# KiCad board Logic_tabor.kicad_pcb
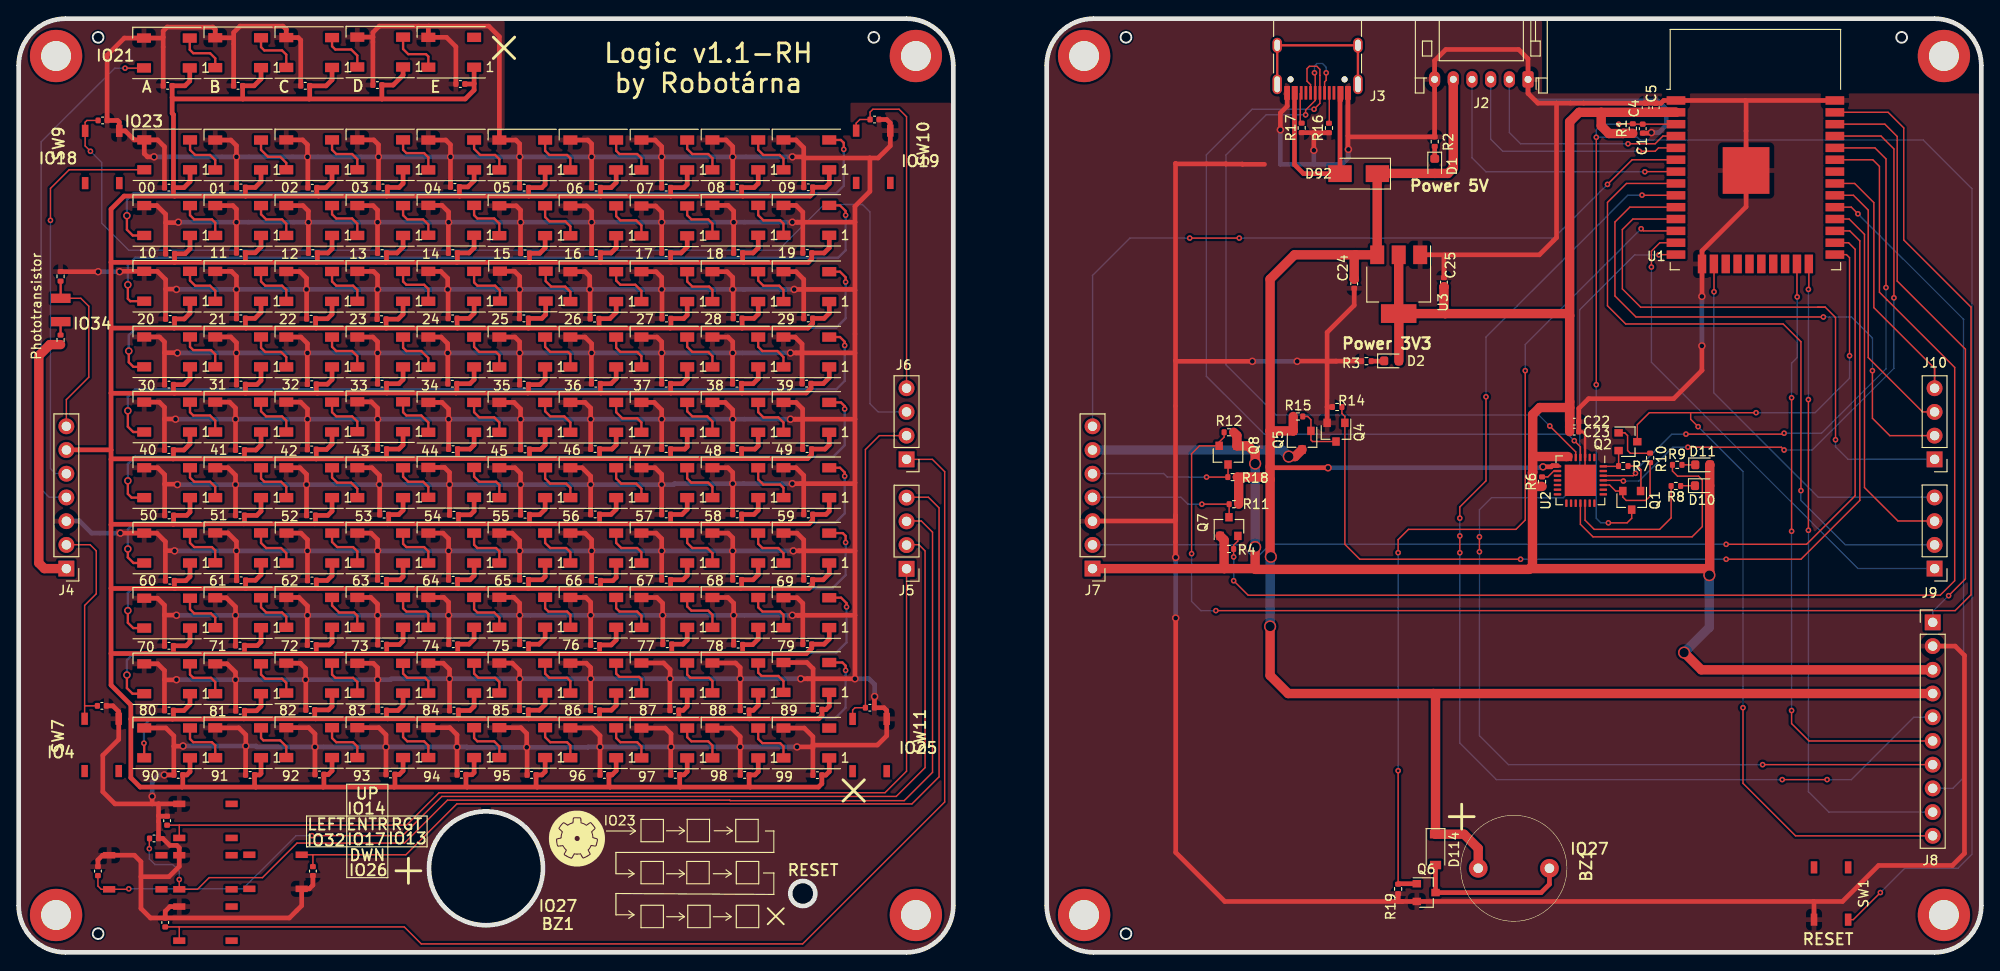
[diagram p0: board, top side]
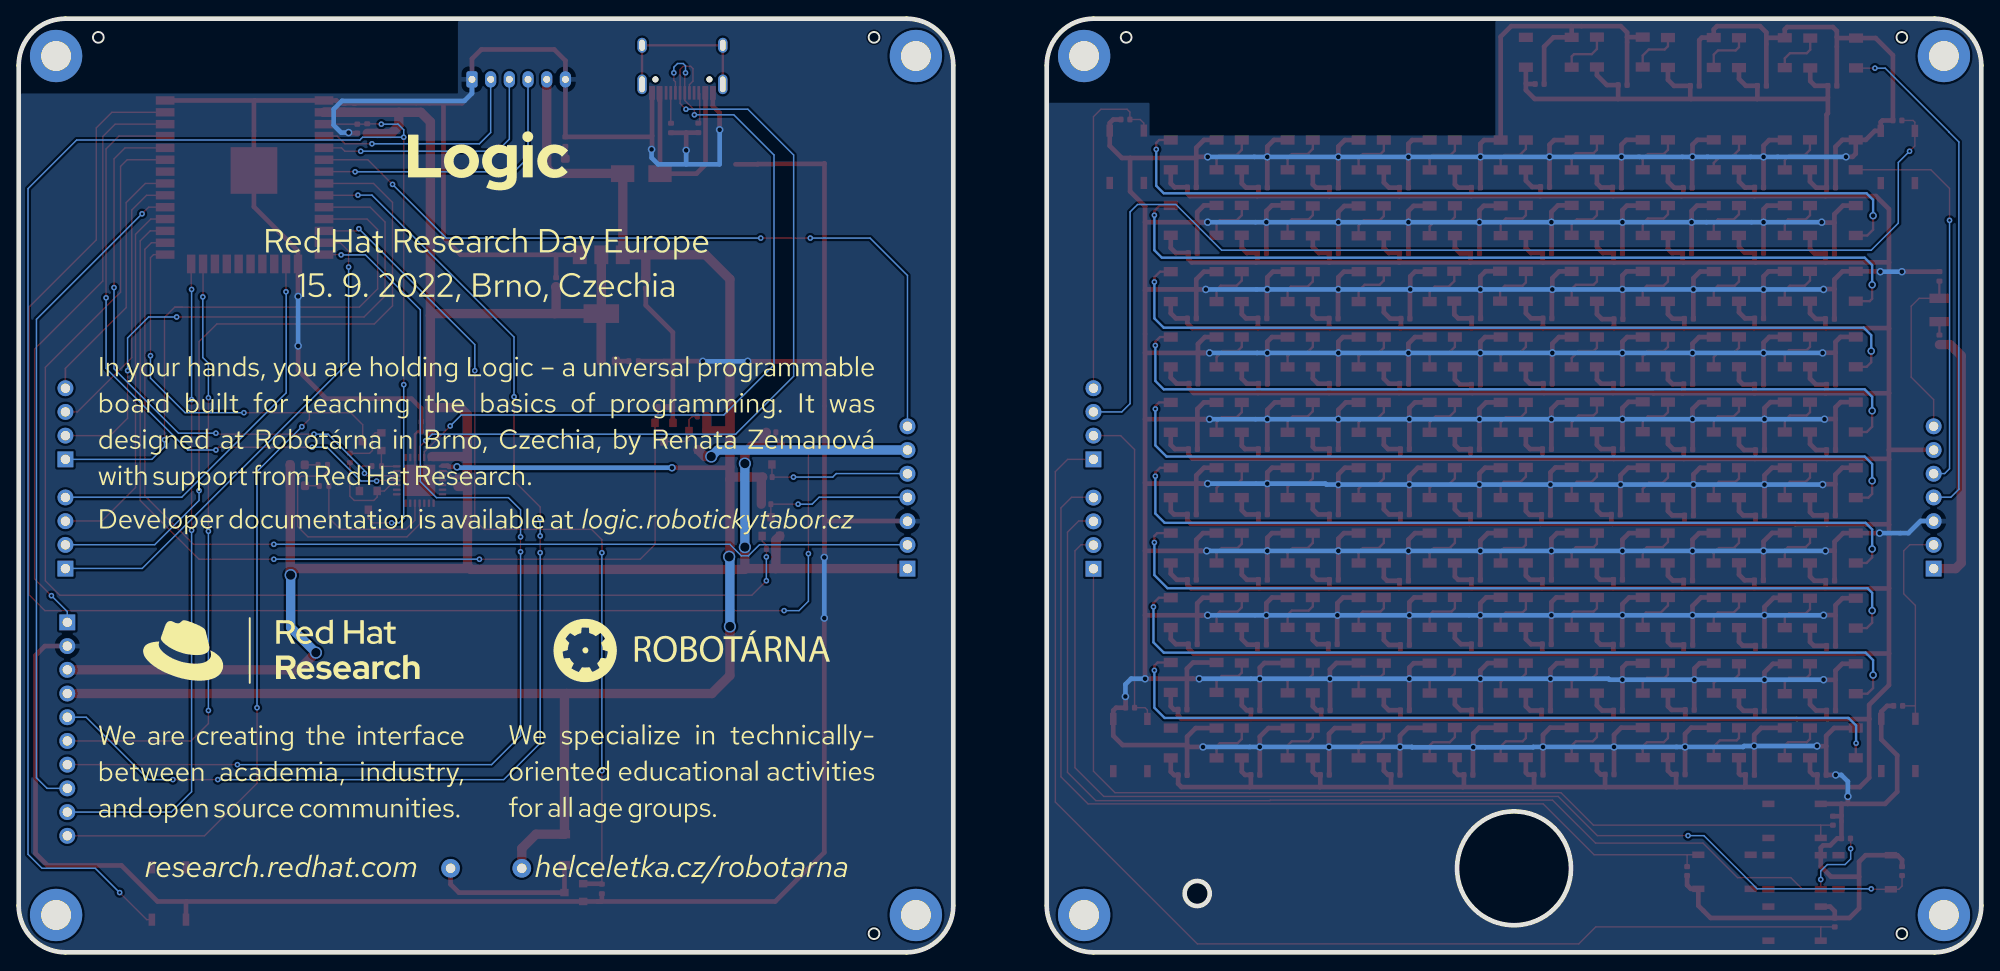
[diagram p1: board, bottom side, seen from below]

Outline 210 x 100 mm; copper layers: Top, Bottom. Coordinates in mm from the lower left corner of the outline.
Outline path: circle c8.5,98 r0.58 ; circle c8.5,2 r0.58 ; circle c50,9 r6.1 ; circle c83.9,6.3 r1.35 ; circle c91.5,98 r0.58 ; circle c118.48,98 r0.58 ; circle c118.48,2 r0.58 ; circle c201.48,98 r0.58 ; 0,95 arc(1.46,98.54) 5,100 95,100 arc(98.54,98.54) 100,95 100,5 arc(98.54,1.46) 95,0 5,0 arc(1.46,1.46) 0,5 0,95 ; 110,95 arc(111.46,98.54) 115,100 205,100 arc(208.54,98.54) 210,95 210,5 arc(208.54,1.46) 205,0 115,0 arc(111.46,1.46) 110,5 110,95
Stack: Top 0.035mm / dielectric 1.51mm FR4 er 4.5 / Bottom 0.035mm

## Placement (name value [footprint] x y rotation side)
B1  -  [Board]  84.7 100 0 top
B2  -  [Board]  129.8 100 0 top
BZ1  Buzzer  [PIEZO]  159.98 9 90 top
C1  1u  [C_0402_1005Metric]  173.77 88.22 270 top
C2  100n  [C_0402_1005Metric]  46.68 81.98 180 top
C3  100n  [C_0402_1005Metric]  54.08 81.9 180 top
C4  10u  [C_0402_1005Metric]  174.08 90.47 270 top
C5  100n  [C_0402_1005Metric]  175.17 90.47 270 top
C6  100n  [C_0402_1005Metric]  61.78 81.9 180 top
C7  100n  [C_0402_1005Metric]  15.94 92.81 180 top
C8  100n  [C_0402_1005Metric]  23.48 92.81 180 top
C9  100n  [C_0402_1005Metric]  30.66 92.81 180 top
C10  100n  [C_0402_1005Metric]  38.38 92.89 180 top
C11  10n  [C_0402_1005Metric]  14.48 12.2 180 top
C12  10n  [C_0402_1005Metric]  31.48 8.7 90 top
C13  10n  [C_0402_1005Metric]  8.48 8.7 270 top
C14  10n  [C_0402_1005Metric]  15.88 14.1 270 top
C15  100n  [C_0402_1005Metric]  69.28 81.9 180 top
C16  100n  [C_0402_1005Metric]  76.88 81.91 180 top
C17  10n  [C_0402_1005Metric]  15.68 3.2 270 top
C18  10n  [C_0402_1005Metric]  8.98 89.1 180 top
C19  10n  [C_0402_1005Metric]  91.58 89.2 180 top
C20  10n  [C_0402_1005Metric]  91.08 26.2 180 top
C21  100n  [C_0402_1005Metric]  84.48 81.94 180 top
C22  10u  [C_0402_1005Metric]  166.45 56.84 180 top
C23  100n  [C_0402_1005Metric]  166.45 55.77 180 top
C24  10u  [C_0402_1005Metric]  142.9 71.6 270 top
C25  10u  [C_0402_1005Metric]  152.5 71.78 90 top
C31  100n  [C_0402_1005Metric]  16.08 81.9 180 top
C32  100n  [C_0402_1005Metric]  23.78 81.92 180 top
C33  100n  [C_0402_1005Metric]  31.42 81.89 180 top
C34  100n  [C_0402_1005Metric]  38.98 81.92 180 top
C35  100n  [C_0402_1005Metric]  16.2 74.82 180 top
C36  100n  [C_0402_1005Metric]  23.78 74.92 180 top
C37  100n  [C_0402_1005Metric]  31.48 74.9 180 top
C38  100n  [C_0402_1005Metric]  38.88 74.9 180 top
C39  100n  [C_0402_1005Metric]  46.46 74.9 180 top
C40  100n  [C_0402_1005Metric]  54.18 74.87 180 top
C41  100n  [C_0402_1005Metric]  61.78 74.9 180 top
C42  100n  [C_0402_1005Metric]  69.28 74.9 180 top
C43  100n  [C_0402_1005Metric]  76.98 74.9 180 top
C44  100n  [C_0402_1005Metric]  84.38 74.9 180 top
C45  100n  [C_0402_1005Metric]  16.2 67.84 180 top
C46  100n  [C_0402_1005Metric]  23.78 67.9 180 top
C47  100n  [C_0402_1005Metric]  31.29 67.86 180 top
C48  100n  [C_0402_1005Metric]  38.83 67.82 180 top
C49  100n  [C_0402_1005Metric]  46.43 67.9 180 top
C50  100n  [C_0402_1005Metric]  54.06 67.9 180 top
C51  100n  [C_0402_1005Metric]  61.62 67.87 180 top
C52  100n  [C_0402_1005Metric]  69.31 67.88 180 top
C53  100n  [C_0402_1005Metric]  76.93 67.9 180 top
C54  100n  [C_0402_1005Metric]  84.48 67.9 180 top
C55  100n  [C_0402_1005Metric]  16.08 60.8 180 top
C56  100n  [C_0402_1005Metric]  23.78 60.81 180 top
C57  100n  [C_0402_1005Metric]  31.36 60.85 180 top
C58  100n  [C_0402_1005Metric]  38.88 60.9 180 top
C59  100n  [C_0402_1005Metric]  46.4 60.9 180 top
C60  100n  [C_0402_1005Metric]  54.08 60.8 180 top
C61  100n  [C_0402_1005Metric]  61.76 60.9 180 top
C62  100n  [C_0402_1005Metric]  69.28 60.9 180 top
C63  100n  [C_0402_1005Metric]  76.86 60.9 180 top
C64  100n  [C_0402_1005Metric]  84.3 60.91 180 top
C65  100n  [C_0402_1005Metric]  16.08 53.8 180 top
C66  100n  [C_0402_1005Metric]  23.68 53.8 180 top
C67  100n  [C_0402_1005Metric]  31.36 53.86 180 top
C68  100n  [C_0402_1005Metric]  38.88 53.9 180 top
C69  100n  [C_0402_1005Metric]  46.48 53.9 180 top
C70  100n  [C_0402_1005Metric]  54.18 53.87 180 top
C71  100n  [C_0402_1005Metric]  61.68 53.9 180 top
C72  100n  [C_0402_1005Metric]  69.28 53.9 180 top
C73  100n  [C_0402_1005Metric]  76.88 53.9 180 top
C74  100n  [C_0402_1005Metric]  84.36 53.9 180 top
C75  100n  [C_0402_1005Metric]  16.1 46.8 180 top
C76  100n  [C_0402_1005Metric]  23.68 46.8 180 top
C77  100n  [C_0402_1005Metric]  31.28 46.8 180 top
C78  100n  [C_0402_1005Metric]  39.11 46.88 180 top
C79  100n  [C_0402_1005Metric]  46.58 46.86 180 top
C80  100n  [C_0402_1005Metric]  54.18 46.87 180 top
C81  100n  [C_0402_1005Metric]  61.68 46.9 180 top
C82  100n  [C_0402_1005Metric]  69.28 46.9 180 top
C83  100n  [C_0402_1005Metric]  76.88 46.9 180 top
C84  100n  [C_0402_1005Metric]  84.48 46.9 180 top
C85  100n  [C_0402_1005Metric]  16.18 39.8 180 top
C86  100n  [C_0402_1005Metric]  23.8 39.85 180 top
C87  100n  [C_0402_1005Metric]  31.38 39.83 180 top
C88  100n  [C_0402_1005Metric]  38.88 39.9 180 top
C89  100n  [C_0402_1005Metric]  46.48 39.9 180 top
C90  100n  [C_0402_1005Metric]  54.08 39.9 180 top
C91  100n  [C_0402_1005Metric]  61.78 39.8 180 top
C92  100n  [C_0402_1005Metric]  69.28 39.9 180 top
C93  100n  [C_0402_1005Metric]  76.88 39.9 180 top
C94  100n  [C_0402_1005Metric]  84.48 39.9 180 top
C95  100n  [C_0402_1005Metric]  16.08 32.83 180 top
C96  100n  [C_0402_1005Metric]  23.68 32.85 180 top
C97  100n  [C_0402_1005Metric]  31.36 32.92 180 top
C98  100n  [C_0402_1005Metric]  38.9 32.96 180 top
C99  100n  [C_0402_1005Metric]  46.5 33 180 top
C100  100n  [C_0402_1005Metric]  54.08 33 180 top
C101  100n  [C_0402_1005Metric]  61.68 32.92 180 top
C102  100n  [C_0402_1005Metric]  69.4 33 180 top
C103  100n  [C_0402_1005Metric]  76.98 32.95 180 top
C104  100n  [C_0402_1005Metric]  84.38 33 180 top
C105  100n  [C_0402_1005Metric]  16.08 25.9 180 top
C106  100n  [C_0402_1005Metric]  23.7 25.87 180 top
C107  100n  [C_0402_1005Metric]  31.2 25.96 180 top
C108  100n  [C_0402_1005Metric]  38.88 25.9 180 top
C109  100n  [C_0402_1005Metric]  46.58 25.9 180 top
C110  100n  [C_0402_1005Metric]  54.06 25.93 180 top
C111  100n  [C_0402_1005Metric]  61.68 25.93 180 top
C112  100n  [C_0402_1005Metric]  70.16 25.92 180 top
C113  100n  [C_0402_1005Metric]  77.68 25.92 180 top
C114  100n  [C_0402_1005Metric]  85.48 26 180 top
C115  100n  [C_0402_1005Metric]  17.08 19 180 top
C116  100n  [C_0402_1005Metric]  24.76 19 180 top
C117  100n  [C_0402_1005Metric]  32.18 19.05 180 top
C118  100n  [C_0402_1005Metric]  39.78 19.05 180 top
C119  100n  [C_0402_1005Metric]  47.38 19.02 180 top
C120  100n  [C_0402_1005Metric]  54.88 19 180 top
C121  100n  [C_0402_1005Metric]  62.68 19 180 top
C122  100n  [C_0402_1005Metric]  70.25 19.01 180 top
C123  100n  [C_0402_1005Metric]  77.68 19 180 top
C124  100n  [C_0402_1005Metric]  85.46 18.98 180 top
C125  100n  [C_0402_1005Metric]  47.26 93 180 top
C126  10n  [C_0402_1005Metric]  8.9 26.4 180 top
D1  green  [LED_0603_1608Metric]  151.52 84.21 270 top
D2  green  [LED_0603_1608Metric]  146.89 63.35 0 top
D3  WS2812C  [LED_WS2812B_PLCC4_5.0x5.0mm_P3.2mm]  15.85 96.32 180 top
D4  WS2812C  [LED_WS2812B_PLCC4_5.0x5.0mm_P3.2mm]  23.48 96.35 180 top
D5  WS2812C  [LED_WS2812B_PLCC4_5.0x5.0mm_P3.2mm]  31.08 96.37 180 top
D6  WS2812C  [LED_WS2812B_PLCC4_5.0x5.0mm_P3.2mm]  38.68 96.42 180 top
D10  green  [LED_0603_1608Metric]  180.15 49.98 0 top
D11  green  [LED_0603_1608Metric]  180.18 52.21 0 top
D12  WS2812C  [LED_WS2812B_PLCC4_5.0x5.0mm_P3.2mm]  15.89 85.42 180 top
D13  WS2812C  [LED_WS2812B_PLCC4_5.0x5.0mm_P3.2mm]  23.48 85.4 180 top
D14  WS2812C  [LED_WS2812B_PLCC4_5.0x5.0mm_P3.2mm]  31.08 85.42 180 top
D15  WS2812C  [LED_WS2812B_PLCC4_5.0x5.0mm_P3.2mm]  38.68 85.42 180 top
D16  WS2812C  [LED_WS2812B_PLCC4_5.0x5.0mm_P3.2mm]  46.28 85.4 180 top
D17  WS2812C  [LED_WS2812B_PLCC4_5.0x5.0mm_P3.2mm]  53.88 85.4 180 top
D18  WS2812C  [LED_WS2812B_PLCC4_5.0x5.0mm_P3.2mm]  61.48 85.4 180 top
D19  WS2812C  [LED_WS2812B_PLCC4_5.0x5.0mm_P3.2mm]  69.08 85.4 180 top
D20  WS2812C  [LED_WS2812B_PLCC4_5.0x5.0mm_P3.2mm]  76.68 85.41 180 top
D21  WS2812C  [LED_WS2812B_PLCC4_5.0x5.0mm_P3.2mm]  84.28 85.41 180 top
D22  WS2812C  [LED_WS2812B_PLCC4_5.0x5.0mm_P3.2mm]  15.88 78.38 180 top
D23  WS2812C  [LED_WS2812B_PLCC4_5.0x5.0mm_P3.2mm]  23.48 78.38 180 top
D24  WS2812C  [LED_WS2812B_PLCC4_5.0x5.0mm_P3.2mm]  31.08 78.38 180 top
D25  WS2812C  [LED_WS2812B_PLCC4_5.0x5.0mm_P3.2mm]  38.68 78.38 180 top
D26  WS2812C  [LED_WS2812B_PLCC4_5.0x5.0mm_P3.2mm]  46.28 78.4 180 top
D27  WS2812C  [LED_WS2812B_PLCC4_5.0x5.0mm_P3.2mm]  53.88 78.36 180 top
D28  WS2812C  [LED_WS2812B_PLCC4_5.0x5.0mm_P3.2mm]  61.48 78.35 180 top
D29  WS2812C  [LED_WS2812B_PLCC4_5.0x5.0mm_P3.2mm]  69.08 78.34 180 top
D30  WS2812C  [LED_WS2812B_PLCC4_5.0x5.0mm_P3.2mm]  76.68 78.4 180 top
D31  WS2812C  [LED_WS2812B_PLCC4_5.0x5.0mm_P3.2mm]  84.28 78.4 180 top
D32  WS2812C  [LED_WS2812B_PLCC4_5.0x5.0mm_P3.2mm]  15.88 71.34 180 top
D33  WS2812C  [LED_WS2812B_PLCC4_5.0x5.0mm_P3.2mm]  23.48 71.33 180 top
D34  WS2812C  [LED_WS2812B_PLCC4_5.0x5.0mm_P3.2mm]  31.08 71.32 180 top
D35  WS2812C  [LED_WS2812B_PLCC4_5.0x5.0mm_P3.2mm]  38.68 71.33 180 top
D36  WS2812C  [LED_WS2812B_PLCC4_5.0x5.0mm_P3.2mm]  46.28 71.33 180 top
D37  WS2812C  [LED_WS2812B_PLCC4_5.0x5.0mm_P3.2mm]  53.94 71.35 180 top
D38  WS2812C  [LED_WS2812B_PLCC4_5.0x5.0mm_P3.2mm]  61.48 71.3 180 top
D39  WS2812C  [LED_WS2812B_PLCC4_5.0x5.0mm_P3.2mm]  69.08 71.3 180 top
D40  WS2812C  [LED_WS2812B_PLCC4_5.0x5.0mm_P3.2mm]  76.68 71.3 180 top
D41  WS2812C  [LED_WS2812B_PLCC4_5.0x5.0mm_P3.2mm]  84.28 71.3 180 top
D42  WS2812C  [LED_WS2812B_PLCC4_5.0x5.0mm_P3.2mm]  15.88 64.31 180 top
D43  WS2812C  [LED_WS2812B_PLCC4_5.0x5.0mm_P3.2mm]  23.48 64.31 180 top
D44  WS2812C  [LED_WS2812B_PLCC4_5.0x5.0mm_P3.2mm]  31.08 64.3 180 top
D45  WS2812C  [LED_WS2812B_PLCC4_5.0x5.0mm_P3.2mm]  38.68 64.3 180 top
D46  WS2812C  [LED_WS2812B_PLCC4_5.0x5.0mm_P3.2mm]  46.28 64.3 180 top
D47  WS2812C  [LED_WS2812B_PLCC4_5.0x5.0mm_P3.2mm]  53.88 64.3 180 top
D48  WS2812C  [LED_WS2812B_PLCC4_5.0x5.0mm_P3.2mm]  61.48 64.3 180 top
D49  WS2812C  [LED_WS2812B_PLCC4_5.0x5.0mm_P3.2mm]  69.08 64.3 180 top
D50  WS2812C  [LED_WS2812B_PLCC4_5.0x5.0mm_P3.2mm]  76.68 64.3 180 top
D51  WS2812C  [LED_WS2812B_PLCC4_5.0x5.0mm_P3.2mm]  84.28 64.3 180 top
D52  WS2812C  [LED_WS2812B_PLCC4_5.0x5.0mm_P3.2mm]  15.88 57.33 180 top
D53  WS2812C  [LED_WS2812B_PLCC4_5.0x5.0mm_P3.2mm]  23.48 57.33 180 top
D54  WS2812C  [LED_WS2812B_PLCC4_5.0x5.0mm_P3.2mm]  31.08 57.33 180 top
D55  WS2812C  [LED_WS2812B_PLCC4_5.0x5.0mm_P3.2mm]  38.68 57.36 180 top
D56  WS2812C  [LED_WS2812B_PLCC4_5.0x5.0mm_P3.2mm]  46.28 57.3 180 top
D57  WS2812C  [LED_WS2812B_PLCC4_5.0x5.0mm_P3.2mm]  53.88 57.3 180 top
D58  WS2812C  [LED_WS2812B_PLCC4_5.0x5.0mm_P3.2mm]  61.48 57.3 180 top
D59  WS2812C  [LED_WS2812B_PLCC4_5.0x5.0mm_P3.2mm]  69.08 57.3 180 top
D60  WS2812C  [LED_WS2812B_PLCC4_5.0x5.0mm_P3.2mm]  76.68 57.3 180 top
D61  WS2812C  [LED_WS2812B_PLCC4_5.0x5.0mm_P3.2mm]  84.28 57.3 180 top
D62  WS2812C  [LED_WS2812B_PLCC4_5.0x5.0mm_P3.2mm]  15.88 50.3 180 top
D63  WS2812C  [LED_WS2812B_PLCC4_5.0x5.0mm_P3.2mm]  23.48 50.3 180 top
D64  WS2812C  [LED_WS2812B_PLCC4_5.0x5.0mm_P3.2mm]  31.08 50.3 180 top
D65  WS2812C  [LED_WS2812B_PLCC4_5.0x5.0mm_P3.2mm]  38.68 50.3 180 top
D66  WS2812C  [LED_WS2812B_PLCC4_5.0x5.0mm_P3.2mm]  46.28 50.33 180 top
D67  WS2812C  [LED_WS2812B_PLCC4_5.0x5.0mm_P3.2mm]  53.88 50.3 180 top
D68  WS2812C  [LED_WS2812B_PLCC4_5.0x5.0mm_P3.2mm]  61.48 50.3 180 top
D69  WS2812C  [LED_WS2812B_PLCC4_5.0x5.0mm_P3.2mm]  69.08 50.3 180 top
D70  WS2812C  [LED_WS2812B_PLCC4_5.0x5.0mm_P3.2mm]  76.68 50.3 180 top
D71  WS2812C  [LED_WS2812B_PLCC4_5.0x5.0mm_P3.2mm]  84.28 50.3 180 top
D72  WS2812C  [LED_WS2812B_PLCC4_5.0x5.0mm_P3.2mm]  15.88 43.3 180 top
D73  WS2812C  [LED_WS2812B_PLCC4_5.0x5.0mm_P3.2mm]  23.48 43.32 180 top
D74  WS2812C  [LED_WS2812B_PLCC4_5.0x5.0mm_P3.2mm]  31.1 43.3 180 top
D75  WS2812C  [LED_WS2812B_PLCC4_5.0x5.0mm_P3.2mm]  38.68 43.3 180 top
D76  WS2812C  [LED_WS2812B_PLCC4_5.0x5.0mm_P3.2mm]  46.28 43.3 180 top
D77  WS2812C  [LED_WS2812B_PLCC4_5.0x5.0mm_P3.2mm]  53.88 43.3 180 top
D78  WS2812C  [LED_WS2812B_PLCC4_5.0x5.0mm_P3.2mm]  61.48 43.3 180 top
D79  WS2812C  [LED_WS2812B_PLCC4_5.0x5.0mm_P3.2mm]  69.08 43.3 180 top
D80  WS2812C  [LED_WS2812B_PLCC4_5.0x5.0mm_P3.2mm]  76.68 43.3 180 top
D81  WS2812C  [LED_WS2812B_PLCC4_5.0x5.0mm_P3.2mm]  84.28 43.3 180 top
D82  WS2812C  [LED_WS2812B_PLCC4_5.0x5.0mm_P3.2mm]  15.88 36.33 180 top
D83  WS2812C  [LED_WS2812B_PLCC4_5.0x5.0mm_P3.2mm]  23.48 36.37 180 top
D84  WS2812C  [LED_WS2812B_PLCC4_5.0x5.0mm_P3.2mm]  31.08 36.41 180 top
D85  WS2812C  [LED_WS2812B_PLCC4_5.0x5.0mm_P3.2mm]  38.68 36.41 180 top
D86  WS2812C  [LED_WS2812B_PLCC4_5.0x5.0mm_P3.2mm]  46.28 36.41 180 top
D87  WS2812C  [LED_WS2812B_PLCC4_5.0x5.0mm_P3.2mm]  53.88 36.42 180 top
D88  WS2812C  [LED_WS2812B_PLCC4_5.0x5.0mm_P3.2mm]  61.48 36.41 180 top
D89  WS2812C  [LED_WS2812B_PLCC4_5.0x5.0mm_P3.2mm]  69.08 36.4 180 top
D90  WS2812C  [LED_WS2812B_PLCC4_5.0x5.0mm_P3.2mm]  76.68 36.4 180 top
D91  WS2812C  [LED_WS2812B_PLCC4_5.0x5.0mm_P3.2mm]  84.28 36.38 180 top
D92  DIODE  [D_SMA]  143.38 83.4 180 top
D93  WS2812C  [LED_WS2812B_PLCC4_5.0x5.0mm_P3.2mm]  15.88 29.3 180 top
D94  WS2812C  [LED_WS2812B_PLCC4_5.0x5.0mm_P3.2mm]  23.48 29.3 180 top
D95  WS2812C  [LED_WS2812B_PLCC4_5.0x5.0mm_P3.2mm]  31.08 29.37 180 top
D96  WS2812C  [LED_WS2812B_PLCC4_5.0x5.0mm_P3.2mm]  38.68 29.36 180 top
D97  WS2812C  [LED_WS2812B_PLCC4_5.0x5.0mm_P3.2mm]  46.28 29.37 180 top
D98  WS2812C  [LED_WS2812B_PLCC4_5.0x5.0mm_P3.2mm]  53.88 29.38 180 top
D99  WS2812C  [LED_WS2812B_PLCC4_5.0x5.0mm_P3.2mm]  61.48 29.37 180 top
D100  WS2812C  [LED_WS2812B_PLCC4_5.0x5.0mm_P3.2mm]  69.08 29.39 180 top
D101  WS2812C  [LED_WS2812B_PLCC4_5.0x5.0mm_P3.2mm]  76.68 29.39 180 top
D102  WS2812C  [LED_WS2812B_PLCC4_5.0x5.0mm_P3.2mm]  84.28 29.44 180 top
D103  WS2812C  [LED_WS2812B_PLCC4_5.0x5.0mm_P3.2mm]  15.88 22.43 180 top
D104  WS2812C  [LED_WS2812B_PLCC4_5.0x5.0mm_P3.2mm]  23.48 22.44 180 top
D105  WS2812C  [LED_WS2812B_PLCC4_5.0x5.0mm_P3.2mm]  31.08 22.46 180 top
D106  WS2812C  [LED_WS2812B_PLCC4_5.0x5.0mm_P3.2mm]  38.68 22.46 180 top
D107  WS2812C  [LED_WS2812B_PLCC4_5.0x5.0mm_P3.2mm]  46.28 22.46 180 top
D108  WS2812C  [LED_WS2812B_PLCC4_5.0x5.0mm_P3.2mm]  53.88 22.46 180 top
D109  WS2812C  [LED_WS2812B_PLCC4_5.0x5.0mm_P3.2mm]  61.48 22.44 180 top
D110  WS2812C  [LED_WS2812B_PLCC4_5.0x5.0mm_P3.2mm]  69.08 22.42 180 top
D111  WS2812C  [LED_WS2812B_PLCC4_5.0x5.0mm_P3.2mm]  76.68 22.42 180 top
D112  WS2812C  [LED_WS2812B_PLCC4_5.0x5.0mm_P3.2mm]  84.28 22.42 180 top
D113  WS2812C  [LED_WS2812B_PLCC4_5.0x5.0mm_P3.2mm]  46.28 96.4 180 top
D114  D_Schottky  [D_SOD-123]  151.6 11 270 top
DRA1  Logo_Robotarna  [RobotarnaLogo-6mm]  59.73 12.18 0 top
H1  MountingHole  [MountingHole_3.2mm_M3_DIN965_Pad]  114 96 0 top
H2  MountingHole  [MountingHole_3.2mm_M3_DIN965_Pad]  206 96 0 top
H3  MountingHole  [MountingHole_3.2mm_M3_DIN965_Pad]  114 4 0 top
H4  MountingHole  [MountingHole_3.2mm_M3_DIN965_Pad]  206 4 0 top
H5  MountingHole  [MountingHole_3.2mm_M3_DIN965_Pad]  4 96 0 top
H6  MountingHole  [MountingHole_3.2mm_M3_DIN965_Pad]  96 96 0 top
H7  MountingHole  [MountingHole_3.2mm_M3_DIN965_Pad]  4 4 0 top
H8  MountingHole  [MountingHole_3.2mm_M3_DIN965_Pad]  96 4 0 top
J2  Conn_01x06_Male  [JST_PH_S6B-PH-K_1x06_P2.00mm_Horizontal]  161.5 93.5 180 top
J3  USB_C_Receptacle_USB2.0  [USB_C_Receptacle_HRO_TYPE-C-31-M-12]  138.98 96.1 180 top
J4  Conn_01x07_Female  [PinHeader_1x07_P2.54mm_Vertical]  5.1 41.1 180 top
J5  Conn_01x04_Female  [PinHeader_1x04_P2.54mm_Vertical]  95 41.08 180 top
J6  Conn_01x04_Female  [PinHeader_1x04_P2.54mm_Vertical]  95 52.8 180 top
J7  Conn_01x07_Male  [PinHeader_1x07_P2.54mm_Vertical]  114.9 41.1 180 top
J8  Conn_01x10_Male  [PinHeader_1x10_P2.54mm_Vertical]  204.8 35.34 0 top
J9  Conn_01x04_Male  [PinHeader_1x04_P2.54mm_Vertical]  205 41.1 180 top
J10  Conn_01x04_Male  [PinHeader_1x04_P2.54mm_Vertical]  205 52.8 180 top
Q1  Q_NPN_BEC  [SOT-23]  172.59 48.41 270 top
Q2  Q_NPN_BEC  [SOT-23]  172.19 54.69 0 top
Q3  Q_Photo_NPN  [SMD,3.5x2.8x1.9mm]  4.5 68.8 90 top
Q4  Q_NMOS_GSD  [SOT-23]  140.95 55.71 270 top
Q5  Q_PMOS_GSD  [SOT-23]  137.32 54.85 270 top
Q6  Q_NMOS_GSD  [SOT-23]  150.6 6.4 0 top
Q7  Q_NMOS_GSD  [SOT-23]  129.5 45.6 90 top
Q8  Q_NMOS_GSD  [SOT-23]  129.4 53.25 270 top
R1  10k  [R_0402_1005Metric]  172.71 88.23 90 top
R2  10k  [R_0402_1005Metric]  151.51 86.83 270 top
R3  10k  [R_0402_1005Metric]  144.21 63.32 0 top
R4  10k  [R_0402_1005Metric]  129.49 43.2 0 top
R5  22k  [R_0402_1005Metric]  4.48 65.6 90 top
R6  10k  [R_0402_1005Metric]  163 50.41 90 top
R7  10k  [R_0402_1005Metric]  171.69 52.08 180 top
R8  10k  [R_0402_1005Metric]  177.32 49.95 180 top
R9  10k  [R_0402_1005Metric]  177.46 52.21 180 top
R10  10k  [R_0402_1005Metric]  174.56 52.96 270 top
R11  10k  [R_0402_1005Metric]  130.03 48 180 top
R12  10k  [R_0402_1005Metric]  129.49 55.7 180 top
R13  10k  [R_0402_1005Metric]  4.48 72.4 90 top
R14  100k  [R_0402_1005Metric]  141.07 58.41 180 top
R15  100k  [R_0402_1005Metric]  136.89 57.39 0 top
R16  5k1  [R_0402_1005Metric]  140.2 88.29 90 top
R17  5k1  [R_0402_1005Metric]  137.28 88.3 90 top
R18  10k  [R_0402_1005Metric]  129.89 50.9 180 top
R19  100k  [R_0402_1005Metric]  147.6 6.79 90 top
SW1  button  [Tactile_switch]  193.9 6.3 270 top
SW2  button  [Tactile_switch]  19.98 8.6 180 top
SW3  button  [Tactile_switch]  27.48 8.6 0 top
SW4  button  [Tactile_switch]  12.48 8.6 180 top
SW5  button  [Tactile_switch]  19.98 14.1 180 top
SW7  button  [Tactile_switch]  8.91 22.21 90 top
SW8  button  [Tactile_switch]  19.98 3.1 180 top
SW9  button  [Tactile_switch]  8.96 85.19 90 top
SW10  button  [Tactile_switch]  91.46 85.21 90 top
SW11  button  [Tactile_switch]  91.08 22.2 90 top
U1  -  [ESP32-WROOM-32]  185.83 82.98 0 top
U2  CP2102N-A01-GQFN28  [QFN-28-1EP_5x5mm_P0.5mm_EP3.35x3.35mm]  167.1 50.55 270 top
U3  AMS1117-3.3  [SOT-223-3_TabPin2]  147.66 71.56 270 top

## Library data of the parts
BZ1 = -: LCSC: ručně
C1 = -: JLCPCB_CORRECTION: 0;0;0; LCSC: C52923
C2 C3 C5-C10 C15 C16 C21 C23 C31-C125 = -: JLCPCB_CORRECTION: 0;0;0; LCSC: C1525
C4 C22 C24 C25 = -: JLCPCB_CORRECTION: 0;0;0; LCSC: C15525
C11-C14 C17-C20 C126 = -: JLCPCB_CORRECTION: 0;0;0; LCSC: C15195
D1 D2 D10 D11 = -: JLCPCB_CORRECTION: 0;0;0; LCSC: C72043
D3-D6 D12-D91 D93-D113 = -: JLCPCB_CORRECTION: 0;0;180; LCSC: C2761796
D92 = -: JLCPCB_CORRECTION: 0;0;0; LCSC: C8678; Spice_Netlist_Enabled: Y; Spice_Primitive: D
D114 = -: JLCPCB_CORRECTION: 0;0;0; LCSC: C8598
DRA1 H1-H8 = -: JLCPCB_CORRECTION: 0;0;0; LCSC: -
J2 J4-J10 = -: JLCPCB_CORRECTION: 0;0;0; LCSC: ručně
J3 = -: JLCPCB_CORRECTION: 1.8;-0.5;180; LCSC: C165948
Q1 Q2 = -: JLCPCB_CORRECTION: 0;0;180; LCSC: C20526
Q3 = -: JLCPCB_CORRECTION: 0;0;0; LCSC: C250859
Q4 Q6-Q8 = -: JLCPCB_CORRECTION: 0;0;180; LCSC: C8545
Q5 = -: JLCPCB_CORRECTION: 0;0;180; LCSC: C15127
R1-R4 R6-R13 R18 = -: JLCPCB_CORRECTION: 0;0;0; LCSC: C25744
R5 = -: JLCPCB_CORRECTION: 0;0;0; LCSC: C25768
R14 R15 R19 = -: JLCPCB_CORRECTION: 0;0;0; LCSC: C25741
R16 R17 = -: JLCPCB_CORRECTION: 0;0;0; LCSC: C25905
SW1-SW5 SW7-SW11 = -: JLCPCB_CORRECTION: 0;0;0; LCSC: C318887
U1 = -: JLCPCB_CORRECTION: 0;-3;270; LCSC: C82899
U2 = -: JLCPCB_CORRECTION: 0;0;270; LCSC: C6568
U3 = -: JLCPCB_CORRECTION: 0;0;180; LCSC: C6186
